# Altium PCB DM1095_R0M0E1.PcbDoc (part 2 of 3)
Units mm, origin at the board's own origin, x right, y up, seen from the top; angles counter-clockwise.
Board outline 80 x 30 mm, 4 copper layers (Top Copper, Signal Layer 1, Layer 1, Bottom Layer), stack 1.602 mm thick; 162 components, 129 nets, 587 pads, 621 vias.
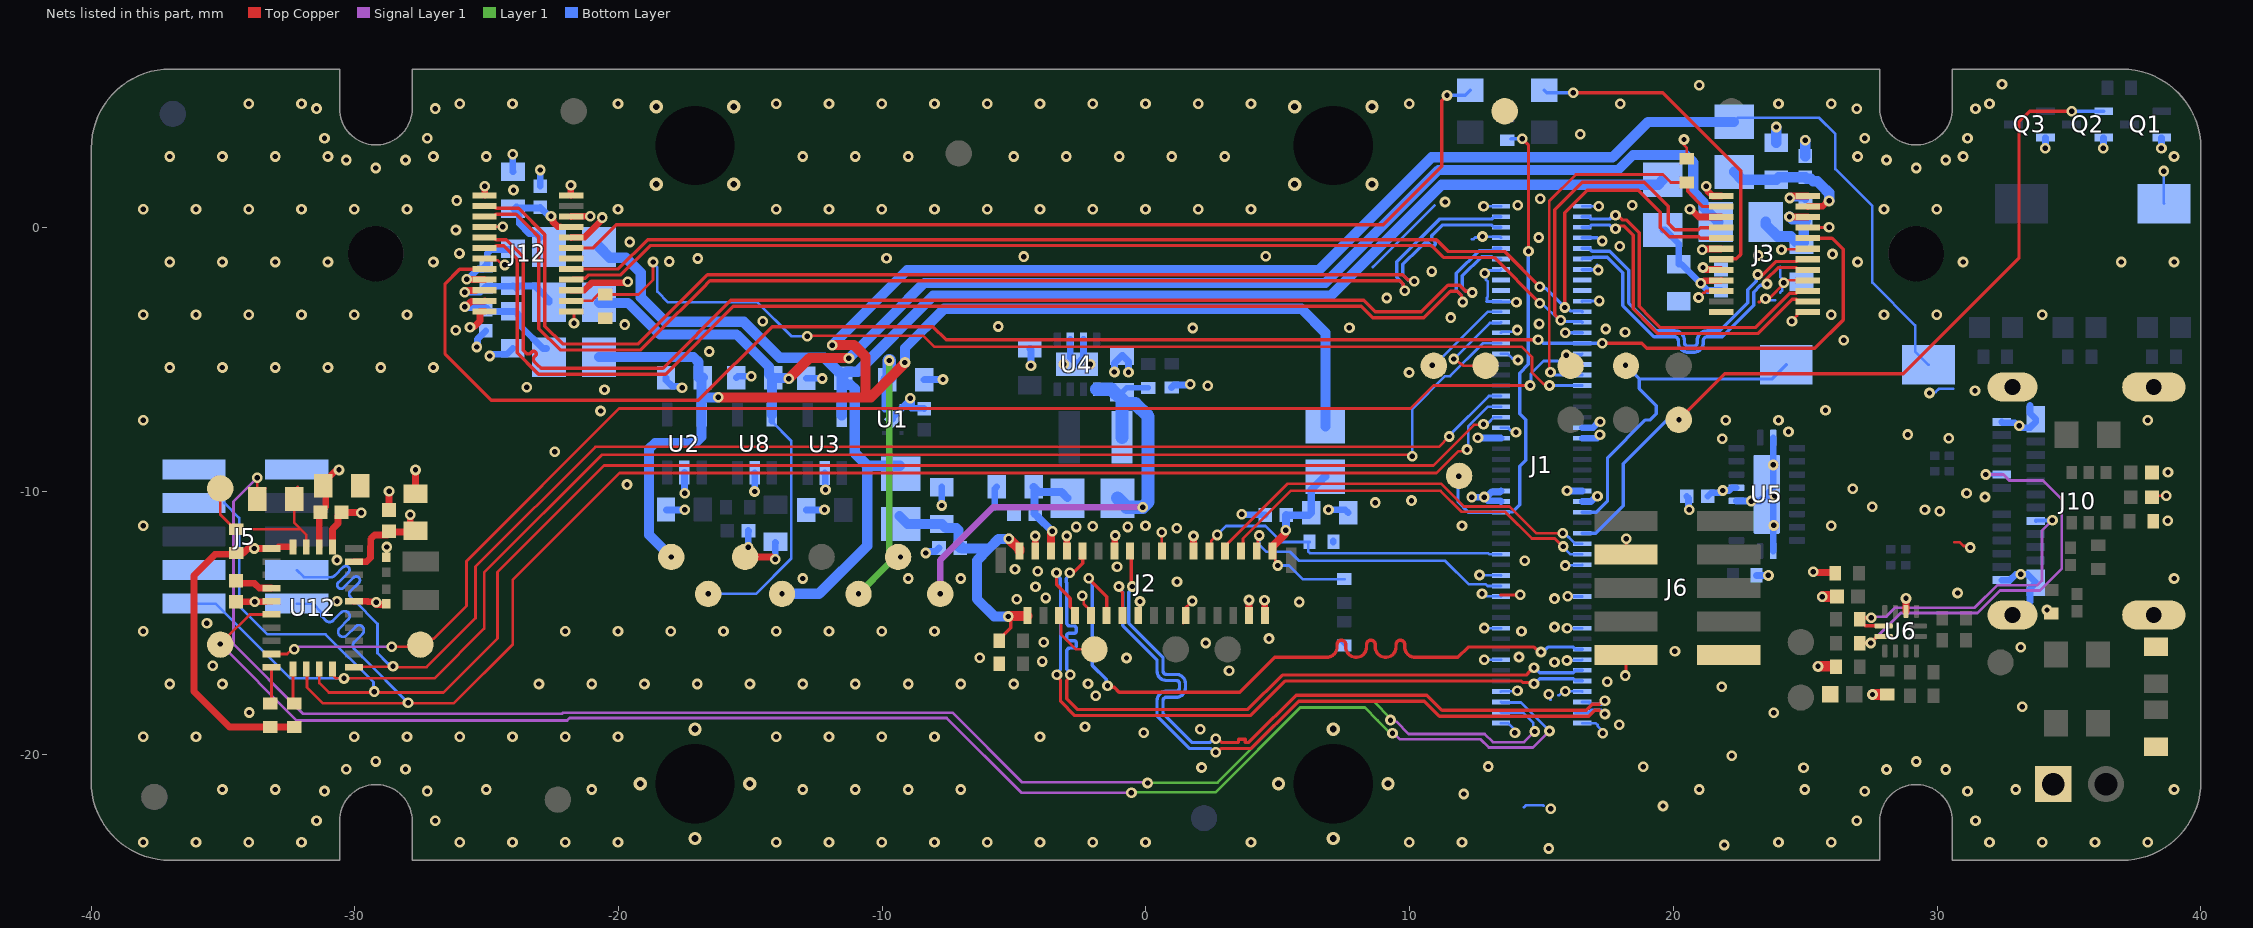
[diagram p4: the nets of this part, all layers, seen from the top]

## Part data (continued)
U8: "Fixed Positive LDO Regulator, 1.5V, PMOS, PDSO5", Dropout Voltage1-Nom=175mV, Input Voltage Absolute-Max=6V, Manufacturer 1="Texas Instruments", Manufacturer Part Number 1=TLV70015DCKR, Max Input Voltage=5.5V, Min Input Voltage=2V, Operating Temperature, TJ-Max=125°C, Operating Temperature, TJ-Min=-40°C, Output Current1-Max=200mA, Output Voltage1-Max=1.53V, Output Voltage1-Min=1.47V, Output Voltage1-Nom=1.5V, Package Body Material=Plastic, Package Code=TSSOP, Package Equivalence Code=TSSOP5/6,.08, Package Shape=Rectangular, Package Style="SMALL OUTLINE, THIN PROFILE, SHRINK PITCHMeter", Peak Reflow Temperature (Cel)=260°C, Supplier Part Number 1=296-41832-1-ND, Voltage Tolerance-Max=2%, Adjustability=FIXED, Category="Voltage Regulators - Linear", ComponentLink1Description=https://www.ti.com:443/lit/ds/symlink/tlv700.pdf?src-supplier=IHS+Markit, ComponentLink1URL=https://www.ti.com:443/lit/ds/symlink/tlv700.pdf?src-supplier=IHS+Markit, ComponentLink2Description=http://components.arrow.com/part/dataview/0323_00585496?src-supplier=Arrow+Europe, ComponentLink2URL=http://components.arrow.com/part/dataview/0323_00585496?src-supplier=Arrow+Europe, ComponentLink3Description=http://components.arrow.com/part/dataview/48329219S8322722N7713?src-supplier=Arrow+Electronics, ComponentLink3URL=http://components.arrow.com/part/dataview/48329219S8322722N7713?src-supplier=Arrow+Electronics, ComponentLink4Description=http://www.ti.com/lit/ds/slvsa00e/slvsa00e.pdf?src-supplier=Digi-Key, ComponentLink4URL=http://www.ti.com/lit/ds/slvsa00e/slvsa00e.pdf?src-supplier=Digi-Key, ComponentLink5Description=http://www.ti.com/general/docs/lit/getliterature.tsp?genericPartNumber=TLV700&&fileType=pdf&src-supplier=Avnet+Asia, ComponentLink5URL=http://www.ti.com/general/docs/lit/getliterature.tsp?genericPartNumber=TLV700&&fileType=pdf&src-supplier=Avnet+Asia, ComponentLink6Description=http://focus.ti.com/lit/ds/symlink/tlv70033.pdf?src-supplier=Avnet, ComponentLink6URL=http://focus.ti.com/lit/ds/symlink/tlv70033.pdf?src-supplier=Avnet, ComponentLink7Description=http://focus.ti.com/lit/ds/symlink/tlv70033.pdf?src-supplier=Avnet+Europe, ComponentLink7URL=http://focus.ti.com/lit/ds/symlink/tlv70033.pdf?src-supplier=Avnet+Europe, ComponentLink8Description=http://www.ti.com/lit/ds/slvsa00d/slvsa00d.pdf?src-supplier=Digi-Key, ComponentLink8URL=http://www.ti.com/lit/ds/slvsa00d/slvsa00d.pdf?src-supplier=Digi-Key, ComponentLink9Description=http://www.ti.com/litv/slvsa00d?src-supplier=Mouser, ComponentLink9URL=http://www.ti.com/litv/slvsa00d?src-supplier=Mouser, ComponentLink10Description=https://datasheet.ciiva.com/41462/001014629-da-01-en-ic-reg-ldo-1-5v-0-tlv70015dckt-sot-5-tid-41462477.pdf?src-supplier=Conrad, ComponentLink10URL=https://datasheet.ciiva.com/41462/001014629-da-01-en-ic-reg-ldo-1-5v-0-tlv70015dckt-sot-5-tid-41462477.pdf?src-supplier=Conrad, ComponentLink11Description=https://datasheet.ciiva.com/22700/1836520-22700170.pdf?src-supplier=Element14, ComponentLink11URL=https://datasheet.ciiva.com/22700/1836520-22700170.pdf?src-supplier=Element14, ComponentLink12Description=https://datasheet.ciiva.com/14149/tlv700-eng-ds-14149835.pdf?src-supplier=Distrelec, ComponentLink12URL=https://datasheet.ciiva.com/14149/tlv700-eng-ds-14149835.pdf?src-supplier=Distrelec, ComponentLink13Description=https://datasheet.ciiva.com/7992/1882059-7992892.pdf?src-supplier=Element14, ComponentLink13URL=https://datasheet.ciiva.com/7992/1882059-7992892.pdf?src-supplier=Element14, Height - Seated (Max)=1.1mm, JESD-30 Code=R-PDSO-G5, JESD-609 Code=e4, Length=2mm, Line Regulation-Max=0.005%, Load Regulation-Max=0.015%, Moisture Sensitivity Level=1, Number of Functions=1, Number of Outputs=1, Number of Pins=5, Packaging="Tape and Reel", Pricing 1="1=0,42000, 10=0,35800, 25=0,33400, 100=0,26710, 250=0,24804, 500=0,20988, 1000=0,16218 (USD)", Pricing 2="1=0,48000, 10=0,41300, 25=0,38600, 100=0,30870 (USD)", Qualification Status="Not Qualified", REACH SVHC=Yes, Regulator Type="FIXED POSITIVE SINGLE OUTPUT LDO REGULATOR", RoHS=Yes, RoHS Compliant=Yes, Stock 1=1697, Stock 2=2049, Supplier 1=Digi-Key, Supplier 2=Digi-Key, Supplier Part Number 2=296-25267-1-ND, Surface Mount=Yes, Technology=PMOS, Terminal Finish=Nickel, Terminal Form="Gull Wing", Terminal Pitch=0.65mm, Terminal Position=DUAL, Width=1.25mm
U12: "IMU ACCEL/GYRO/MAG I2C 32BIT", Case/Package=LGA, Manufacturer 1="Hillcrest Laboratories", Max Operating Temperature=85°C, Min Operating Temperature=-40°C, Supplier Part Number 1=1888-1006-1-ND, Category="Inertial Measurement Units (IMUs)", ComponentLink1Description=https://www.hillcrestlabs.com/downloads/bno080-datasheet?src-supplier=Digi-Key, ComponentLink1URL=https://www.hillcrestlabs.com/downloads/bno080-datasheet?src-supplier=Digi-Key, ComponentLink2Description=https://www.hillcrestlabs.com/downloads/bno080-migration-guide?src-supplier=Digi-Key, ComponentLink2URL=https://www.hillcrestlabs.com/downloads/bno080-migration-guide?src-supplier=Digi-Key, Manufacturer Part Number 1=BNO085, Mount="Surface Mount", Output Type=SPI,I2C, Packaging="Tape and Reel", Pricing 1="1=11.85000, 5=10.31200, 10=9.28100, 25=8.25000, 50=7.63120, 100=6.60000, 500=6.18750, 1000=5.77500 (USD)", RoHS=No, Sensor Type=Accelerometer,Gyroscope,Magnetometer, Stock 1=11593, Supplier 1=Digi-Key
Y1: "CRYSTAL 32.768kHz ±20ppm Crystal 12.5pF 90 kOhms 2-SMD, No Lead", Case/Package=SMD/SMT, ESR (Equivalent Series Resistance)=90kR, Frequency=32.768kHz, Frequency Tolerance=20ppm, Load Capacitance=12.5pF, Manufacturer 1=Abracon, Max Operating Temperature=85°C, Min Operating Temperature=-40°C, Supplier Part Number 1=535-14513-1-ND, ComponentLink1Description=http://www.farnell.com/datasheets/2614114.pdf?src-supplier=Farnell, ComponentLink1URL=http://www.farnell.com/datasheets/2614114.pdf?src-supplier=Farnell, ComponentLink2Description=https://abracon.com/datasheets/ABS06-127-32.768kHz-T.pdf?src-supplier=Digi-Key, ComponentLink2URL=https://abracon.com/datasheets/ABS06-127-32.768kHz-T.pdf?src-supplier=Digi-Key, ComponentLink3Description=http://www.farnell.com/datasheets/2614114.pdf?src-supplier=Newark, ComponentLink3URL=http://www.farnell.com/datasheets/2614114.pdf?src-supplier=Newark, Manufacturer Part Number 1=ABS06-127-32.768KHZ-T, Mount="Surface Mount", Packaging="Tape and Reel", Pricing 1="1=0.69000, 10=0.60700, 50=0.56760, 100=0.50160, 500=0.47520, 1000=0.39600 (USD)", RoHS=Yes, Stock 1=1640, Supplier 1=Digi-Key, Supplier 2=Digi-Key, Supplier 3=Mouser, Supplier 4=Verical, Supplier Part Number 2=535-14513-6-ND, Supplier Part Number 3=815-ABS0612732.768KT, Supplier Part Number 4=ABS06-127-32.768KHZ-T

## Free pads (board coordinates)
  round 2.1 hole 2.1 unplated: 2(-29.2,-1) 2(29.2,-1)

## Via types
v1: diameter 0.406, hole 0.203, Top Copper to Bottom Layer, tented both sides, 577 vias
v2: diameter 0.406, hole 0.203, Top Copper to Bottom Layer, 28 vias
v3: diameter 0.508, hole 0.254, Top Copper to Bottom Layer, 16 vias

## Nets (pads, with @x,y where several pads share a name; then routed paths per layer and width w, separated by ;. In a path a pad name is that pad's centre, name@x,y a point inside that pad or via, vN(x,y) a via of type N, cw(c..) or ccw(c..) an arc to the next point about the centre after c; other vN are vias at no path point)
1V0: C22.2 FB3.1 L1.2 R7.2 TP13.1 U4.5 | length 19.3
  Signal Layer 1 w0.254: v1(-7.8,-13.9) -7.8,-12.62 -5.794,-10.614 v1(-0.122,-10.614)
  Bottom Layer w0.203: C22.2@-0.908,-6.262 -0.733,-6.087 R7.2@0.092,-6.087
  Bottom Layer w0.5: U4.5@-1.87,-6.142 -1.312,-6.142 C22.2@-0.908,-6.546 ; FB3.1@-1.078,-10.27 -0.734,-10.614 v1(-0.122,-10.614) 0.079,-10.414 0.079,-7.17 -0.399,-6.692 -0.762,-6.692 C22.2@-0.908,-6.546 ; L1.2@-0.908,-7.962 C22.2@-0.908,-6.546
1V0_IMX214: C1.2 C2.2 FB3.2 J2.29 | length 4
  Top Copper w0.3: J2.29@-3.6,-12.281 -3.6,-11.596 -3.558,-11.554 v1(-3.558,-11.525)
  Bottom Layer w0.3: C2.2@-4.263,-9.841 C2.2@-4.233,-9.87 ; C1.2@-4.203,-10.88 -4.233,-10.85 C2.2@-4.233,-9.87 ; C1.2@-4.093,-10.99 v1(-3.558,-11.525) ; FB3.2@-2.978,-10.27 -3.207,-10.041 -4.063,-10.041 C2.2@-4.233,-9.87
1V5: C39.2 FB6.1 FB9.1 TP10.1 U8.5 | length 60
  Top Copper w0.381: v1(-13.545,-5.741) -12.766,-4.962 -11.269,-4.962 v1(-11.265,-4.967)
  Bottom Layer w0.102: v1(-16.6,-13.9) -14.792,-13.9 -13.451,-12.559 -13.451,-9.697 ; U8.5@-14.189,-7.36 -13.451,-8.098 -13.451,-9.697
  Bottom Layer w0.254: U8.5@-14.189,-7.36 U8.5@-14.189,-7.11
  Bottom Layer w0.381: FB9.1@-20.738,-2.847 -20.718,-2.867 -19.634,-2.867 -18.436,-4.065 -15.522,-4.065 -14.298,-5.288 -14.298,-5.568 -14.179,-5.687 -14.179,-7.1 U8.5@-14.189,-7.11 ; C39.2@-14.139,-5.71 -13.577,-5.71 v1(-13.545,-5.741) ; v1(-11.265,-4.967) -9.679,-3.381 -8.406,-2.108 6.803,-2.108 11.085,2.175 17.896,2.175 18.462,2.74 20.47,2.74 20.749,2.462 20.749,1.351 21.14,0.96 21.14,0.76 FB6.1@21.7,0.2
1V5_L: C7.2 C8.2 FB6.2 J3.3 | length 3.8
  Top Copper w0.254: v1(24.4,0.4) 24.406,0.394 25.084,0.394 J3.3@25.09,0.387
  Bottom Layer w0.4: FB6.2@23.5,0.2 23.5,0.1 23.95,-0.35 24.441,-0.35 C8.2@24.639,-0.548 ; v1(24.4,0.4) 24.402,0.4 24.502,0.3 24.948,0.3 C7.2@25.008,0.24 24.948,0.18 24.948,-0.571 C8.2@24.855,-0.664
1V5_R: C23.2 C24.2 FB9.2 J12.3 | length 4
  Top Copper w0.254: v1(-25.832,-2.465) -25.791,-2.465 -25.725,-2.399 J12.3@-25.41,-2.399
  Bottom Layer w0.254: v1(-25.832,-2.465) -25.238,-2.465 C23.2@-25.019,-2.246 ; C23.2@-25.005,-2.26 -24.976,-2.231 -24.013,-2.231 C24.2@-23.998,-2.216 ; C24.2@-23.873,-2.317 -23.78,-2.224 -23.161,-2.224 -22.638,-2.747 FB9.2@-22.638,-2.847
1V8: B2.1 C18.2 C43.2 C44.2 FB2.1 FB5.1 FB8.1 R5.1 R6.1 R35.2 TP11.1 U2.5 U12.5 U12.6 U12.28 | length 114.6
  Top Copper w0.254: U12.5@-32.344,-12.117 -32.886,-12.117 -32.948,-12.179 U12.6@-33.157,-12.179 v1(-33.808,-12.179) -34.054,-12.179 -34.225,-12.35 R35.2@-34.5,-12.35 -34.55,-12.4 -35.3,-12.4 -36.1,-13.2 -36.1,-17.6 -34.75,-18.95 R5.1@-33.2,-18.95 R6.1@-32.3,-18.95 ; U12.28@-30.032,-12.679 -29.552,-12.679 -29.404,-12.531 -29.404,-12.104 -29.4,-12.1 -29.4,-11.823 -29.246,-11.669 -28.769,-11.669 -28.65,-11.55 -27.75,-11.55 C43.2@-27.7,-11.5 -27.9,-11.3 v1(-27.9,-10.9)
  Top Copper w0.381: v1(-16.216,-6.446) -10.641,-6.446 ; v1(-11.9,-4.468) -11.065,-4.468 -10.641,-4.892 -10.641,-6.446 ; v1(-9.141,-5.128) -9.146,-5.133 -9.146,-5.157 -10.434,-6.446 -10.641,-6.446
  Bottom Layer w0.102: FB5.1@22.3,4 22.454,4.154 24.721,4.154 25.521,4.154 26.138,3.537 26.138,2.204 27.541,0.801 27.541,-2.098 29.164,-3.721 29.164,-4.709 B2.1@29.672,-5.218
  Bottom Layer w0.381: FB8.1@-20.738,-4.921 -17.153,-4.921 -16.96,-5.114 C18.2@-16.96,-5.7 ; v1(-18,-12.5) -18.841,-11.659 -18.841,-8.398 -18.617,-8.175 -17.083,-8.175 -16.859,-7.952 U2.5@-16.859,-7.109 ; U2.5@-16.859,-7.242 U2.5@-16.85,-7.251 ; U2.5@-16.85,-7.1 U2.5@-16.859,-7.109 ; C18.2@-16.8,-5.7 -16.862,-5.762 -16.862,-6.451 ; v1(-16.216,-6.446) -16.222,-6.451 -16.862,-6.451 ; v1(-11.9,-4.468) -10.132,-2.7 -9.059,-1.627 6.553,-1.627 10.835,2.656 17.696,2.656 19.041,4 FB5.1@22.3,4 ; v1(-9.141,-5.128) -9.141,-4.577 -7.653,-3.089 5.892,-3.089 6.8,-3.997 FB2.1@6.8,-7.556 ; -16.862,-6.451 -16.862,-6.707 -16.859,-6.71 U2.5@-16.859,-7.109
1V8_IMX214: C3.2 C4.2 FB2.2 J2.1 R27.2 | length 7.5
  Top Copper w0.102: J2.1@4.8,-12.281 4.899,-12.38 4.899,-12.642 4.997,-12.74 v1(4.997,-12.822)
  Top Copper w0.3: J2.1@4.8,-12.281 4.8,-12.1 5.273,-11.627 5.273,-11.51 v1(5.294,-11.489)
  Bottom Layer w0.102: v1(4.997,-12.822) 5.423,-12.822 5.941,-13.34 R27.2@7.526,-13.34
  Bottom Layer w0.3: v1(5.294,-11.489) 5.305,-11.478 5.305,-10.92 C3.2@5.317,-10.908 ; C3.2@5.328,-10.919 6.168,-10.919 C4.2@6.266,-10.82 6.266,-10.775 6.266,-9.956 6.766,-9.456 FB2.2@6.8,-9.456
1V8_L: C9.2 C10.2 FB5.2 J3.2 | length 5.2
  Top Copper w0.254: J3.2@25.09,0.787 25.102,0.799 25.658,0.799 25.859,1 v1(25.9,1)
  Bottom Layer w0.4: FB5.2@22.3,2.1 22.6,1.8 C10.2@23.9,1.8 24,1.9 C9.2@25,1.9 25.06,1.84 25.204,1.84 25.294,1.75 25.45,1.75 25.6,1.6 25.899,1.301 25.899,1.001 v1(25.9,1)
1V8_R: C25.2 C26.2 FB8.2 J12.2 | length 4.9
  Top Copper w0.254: v1(-25.834,-3.01) -25.796,-3.01 -25.631,-2.845 -25.604,-2.845 -25.558,-2.799 -25.089,-2.799 J12.2@-25.077,-2.787
  Bottom Layer w0.254: v1(-25.834,-3.01) -25.805,-3.039 -25.05,-3.039 C25.2@-24.974,-3.115 ; C25.2@-24.985,-3.066 -24.985,-3.101 -24.896,-3.19 -23.911,-3.19 -23.688,-3.413 -23.688,-3.77 -22.863,-4.596 FB8.2@-22.733,-4.596
2V8: C20.2 FB1.1 FB4.1 FB7.1 TP12.1 U3.5 | length 59.3
  Bottom Layer w0.4: FB7.1@-20.738,-0.747 -20.33,-1.155 -19.722,-1.155 -19.151,-1.726 -19.151,-2.655 -18.232,-3.575 -15.259,-3.575 -13.892,-4.942 -12.201,-4.942 -11.673,-5.47 -11.629,-5.47 -11.529,-5.57 -11.529,-5.67 -11.329,-5.47 -10.934,-5.47 -8.063,-2.598 7.006,-2.598 11.219,1.615 19.415,1.615 FB4.1@19.6,1.8 ; v1(-13.8,-13.9) -12.4,-13.9 -10.573,-12.073 -10.573,-9.05 ; U3.5@-11.529,-7.12 C20.2@-11.529,-5.775 ; C20.2@-11.463,-5.836 -11.329,-5.97 -11.208,-5.97 -11.05,-6.128 -11.05,-8.556 -10.573,-9.033 -10.573,-9.05 ; FB1.1@-9.343,-9.05 -10.573,-9.05
2V8_IMX214: C5.2 C6.2 FB1.2 J2.32 J2.33 R22.1 | length 11.2
  Top Copper w0.127: R22.1@-5.548,-15.542 -5.481,-15.542 -5.126,-15.188 v1@-5.126,-14.759 ; J2.32@-4.493,-14.906 J2.32@-4.493,-14.731
  Top Copper w0.381: v1(-5.2,-11.806) -4.8,-12.206 J2.33@-4.8,-12.281 ; v1@-5.121,-14.757 -5.115,-14.757 -5.089,-14.731 J2.32@-4.493,-14.731
  Bottom Layer w0.381: FB1.2@-9.343,-10.95 -9.043,-11.25 C6.2@-7.743,-11.25 -7.583,-11.41 -7.181,-11.41 -7.117,-11.473 -7.117,-12.09 C5.2@-7.048,-12.16 C5.2@-6.999,-12.111 ; C5.2@-6.985,-12.166 -6.985,-12.171 -6.978,-12.178 -5.95,-12.178 ; v1(-5.221,-14.757) -5.226,-14.752 -5.754,-14.752 -6.405,-14.101 -6.405,-13.117 -6.4,-13.112 -6.4,-12.628 -5.95,-12.178 ; v1(-5.2,-11.806) -5.205,-11.811 -5.583,-11.811 -5.95,-12.178
2V8_L: C11.2 C12.2 FB4.2 J3.16 | length 4.2
  Top Copper w0.254: v1@21.177,-2.025 21.798,-2.025 J3.16@21.81,-2.013
  Bottom Layer w0.254: FB4.2@19.6,-0.1 19.677,-0.1 20.2,-0.623 C12.2@20.2,-1.4 20.3,-1.4 21.268,-2.368 21.268,-2.371 21.298,-2.4 C11.2@21.8,-2.4
  other v1: 21.035,-2.126
2V8_R: C27.2 C28.2 FB7.2 J12.16 | length 3.7
  Top Copper w0.254: v1@-22.531,0.394 -22.531,0.343 -22.484,0.296 -22.484,0.203 -22.305,0.025 J12.16@-22.222,0.025
  Bottom Layer w0.254: C28.2@-23.963,0.681 -23.763,0.482 -23.763,0.139 -23.376,-0.248 -23.12,-0.248 FB7.2@-22.968,-0.4 ; C28.2@-23.866,0.778 -23.819,0.73 -22.992,0.73 C27.2@-22.966,0.756 -22.653,0.443 -22.59,0.443 v1(-22.561,0.414)
3V3: C15.2 C35.2 C42.2 C45.2 R13.2 TP9.1 U1.1 U5.6 U12.3 | length 16.6
  Top Copper w0.254: U12.3@-31.344,-12.117 -31.342,-12.115 -31.342,-10.842 C45.2@-31.3,-10.8 -31.1,-10.6 C42.2@-31.1,-9.9 ; C42.2@-31.2,-9.8 -31.1,-9.8 -31.1,-9.6 -30.729,-9.229 -30.629,-9.229 v1(-30.6,-9.2) ; v1(25.303,-13.061) 25.329,-13.086 26.109,-13.086 R13.2@26.134,-13.111
  Layer 1 w0.254: v1(-10.9,-13.9) -9.738,-12.738 v1(-9.738,-5.051)
  Bottom Layer w0.254: -9.9,-6.9 -9.9,-6.771 -9.9,-5.869 C15.2@-9.814,-5.783 ; C35.2@21.3,-10.2 21.433,-10.067 21.741,-10.067 21.828,-9.98 v1(21.87,-9.98) 22.109,-9.98 22.214,-9.875 U5.6@22.385,-9.875
  Bottom Layer w0.5: C15.2@-9.814,-5.783 -9.738,-5.707 v1(-9.738,-5.051)
2485_PGOOD: J1.37 Q2.1 TP1.1 | length 30.4
  Top Copper w0.127: v1(20.209,-7.298) 20.202,-7.298 TP1.1@20.2,-7.3 21.946,-5.554 28.714,-5.554 33.1,-1.168 33.1,4 33.5,4.4 v1(35.1,4.4)
  Bottom Layer w0.127: J1.37@16.54,-11.6 17.056,-11.6 18.1,-10.556 18.1,-8.966 19.769,-7.298 v1(20.209,-7.298) ; v1(35.1,4.4) Q2.1@36.31,4.4
2485_WAKEUP: B2.2 J1.41 TP3.1 | length 13.5
  Top Copper w0.254: v1(18.179,-5.23) TP3.1@18.2,-5.25
  Bottom Layer w0.127: J1.41@16.54,-10.8 17.073,-10.8 17.5,-10.373 17.5,-8.743 18.937,-7.307 19.114,-7.307 19.351,-7.07 19.351,-6.766 18.7,-6.115 18.7,-5.751 ; v1(18.179,-5.23) 18.7,-5.751 ; B2.2@24.272,-5.218 23.739,-5.751 18.7,-5.751
BNO08x_BOOTN_1V8: J1.4 R36.2 | length 63.4
  Top Copper w0.102: v1(-33.703,-9.5) -33.703,-10.297 R36.2@-33.7,-10.3 -33.7,-10.2 R36.2@-33.401,-9.901
  Signal Layer 1 w0.102: v1(-33.703,-9.5) -34.6,-10.397 -34.6,-15.8 -31.954,-18.446 -22.149,-18.446 -22.109,-18.406 -7.339,-18.406 -4.703,-21.042 0.078,-21.042 v1@0.093,-21.058 ; v1(9.272,-18.686) 9.33,-18.744 9.493,-18.744 9.96,-19.211 12.839,-19.211 13.15,-19.523 14.336,-19.523 v1(14.739,-19.12)
  Layer 1 w0.102: v1(0.06,-21.072) 0.074,-21.058 2.716,-21.058 5.788,-17.986 8.64,-17.986 9.272,-18.618 v1(9.272,-18.686)
  Bottom Layer w0.102: J1.4@13.461,-18.401 14.299,-18.401 14.68,-18.782 14.68,-19.061 v1(14.739,-19.12)
BNO08x_BOOTN_1V8_1: R35.1 R36.1 TP26.1 U12.4 | length 7.2
  Top Copper w0.102: TP26.1@-35.1,-9.9 -35.1,-10.9 -34.55,-11.45 R35.1@-34.5,-11.45 -32.094,-11.45 -32.072,-11.428 ; R36.1@-32.3,-9.9 R36.1@-32.3,-9.984 ; -32.166,-9.85 R36.1@-32.3,-9.984 ; U12.4@-31.844,-12.117 -31.844,-11.656 -32.072,-11.428 ; R36.1@-32.3,-10.3 R36.1@-32.3,-9.984 ; R36.1@-32.3,-10.3 -32.3,-10.8 -32.3,-11.2 -32.072,-11.428 ; R36.1@-32.3,-10.3 R36.1@-32.3,-9.984
BNO08x_CIPO_1V8: J1.64 J5.4 U12.20 | length 57.4
  Top Copper w0.102: U12.20@-30.032,-16.679 -30.012,-16.66 -28.572,-16.66 v1(-28.553,-16.64) -28.513,-16.679 -27.277,-16.679 -25.42,-14.822 -25.42,-12.866 -20.88,-8.326 11.105,-8.326 v1(11.496,-7.934)
  Bottom Layer w0.102: J5.4@-32.2,-13 -31.932,-13.268 -30.992,-13.268 -30.907,-13.268 -30.903,-13.272 -30.857,-13.259 ccw(c-30.92,-13.029) -30.752,-13.198 -30.439,-12.885 cw(c-30.34,-12.983) -30.241,-12.885 cw(c-30.34,-12.983) -30.241,-13.082 -30.622,-13.463 ccw(c-30.523,-13.561) -30.622,-13.66 ccw(c-30.523,-13.561) -30.424,-13.66 -30.044,-13.28 cw(c-29.945,-13.379) -29.846,-13.28 cw(c-29.945,-13.379) -29.846,-13.477 -30.173,-13.804 ccw(c-30.074,-13.903) -30.173,-14.002 -30.018,-14.157 -29.14,-15.034 -29.14,-16.148 -28.75,-16.538 -28.737,-16.538 -28.635,-16.64 v1(-28.553,-16.64) ; v1(11.496,-7.934) 11.496,-7.904 13,-6.4 J1.64@13.46,-6.4
BNO08x_COPI_1V8: J1.62 J5.2 U12.17 | length 61.4
  Top Copper w0.102: U12.17@-31.844,-16.742 -31.814,-16.772 -31.814,-17.445 -31.207,-18.053 -28.003,-18.053 v1(-27.978,-18.028) -27.954,-18.053 -26.252,-18.053 -24.009,-15.81 -24.009,-13.361 -19.966,-9.318 11.017,-9.318 11.849,-8.487 12.113,-8.487 v1(12.172,-8.428)
  Bottom Layer w0.102: J5.2@-32.2,-14.27 -31.593,-14.27 -31.264,-14.599 -31.264,-14.743 -31.129,-14.878 -31.093,-14.914 ccw(c-30.958,-14.779) -30.823,-14.914 -30.518,-14.608 cw(c-30.383,-14.743) -30.249,-14.608 cw(c-30.383,-14.743) -30.249,-14.878 -30.576,-15.205 ccw(c-30.441,-15.34) -30.576,-15.474 ccw(c-30.441,-15.34) -30.306,-15.474 -29.979,-15.147 cw(c-29.845,-15.282) -29.71,-15.147 cw(c-29.845,-15.282) -29.71,-15.417 -30.015,-15.722 ccw(c-29.881,-15.857) -30.015,-15.991 -29.714,-16.293 v1(-27.978,-18.028) ; v1(12.172,-8.428) 12.213,-8.387 12.213,-7.551 12.964,-6.8 J1.62@13.46,-6.8
BNO08x_CS_1V8: J1.60 J5.7 U12.18 | length 62.2
  Top Copper w0.102: U12.18@-31.344,-16.742 -31.344,-17.278 -30.983,-17.638 -29.291,-17.638 v1(-29.257,-17.604) -29.223,-17.638 -26.638,-17.638 -24.8,-15.8 -24.586,-15.586 -24.586,-13.073 -20.547,-9.034 10.897,-9.034 12.44,-7.492 12.773,-7.492 v1(12.795,-7.47)
  Bottom Layer w0.102: J5.7@-34.945,-10.453 -34.383,-11.015 -34.383,-14.366 -33.312,-15.436 -31.104,-15.436 -29.291,-17.249 -29.291,-17.57 v1(-29.257,-17.604) v1@-29.291,-17.638 ; v1(12.795,-7.47) 12.854,-7.411 12.989,-7.411 13.2,-7.2 J1.60@13.46,-7.2
BNO08x_INT_1V8: J1.69 TP25.1 U12.14 | length 55.7
  Top Copper w0.102: U12.14@-33.224,-16.246 U12.14@-33.157,-16.179 -32.562,-16.179 -32.382,-16 v1(-32.3,-16) ; v1(-28.6,-15.9) TP25.1@-27.514,-15.9 ; TP25.1@-27.514,-15.823 -27.271,-15.823 -27.053,-15.605 -27.013,-15.605 -25.762,-14.354 -25.762,-12.662 -19.974,-6.874 10.026,-6.874 10.9,-6 v1(14.563,-5.999) v1(14.563,-5.999)
  Signal Layer 1 w0.102: v1(-32.3,-16) -32.218,-16 -32.118,-15.9 v1(-28.6,-15.9)
  Bottom Layer w0.102: v1(14.563,-5.999) 14.596,-5.965 14.596,-5.545 15.071,-5.07 15.615,-5.07 15.744,-5.2 J1.69@16.54,-5.2
BNO08x_RSTn_1V8: J1.6 TP19.1 U12.11 | length 59.6
  Top Copper w0.102: TP19.1@-35.1,-15.6 -34.9,-15.6 -33.979,-14.679 U12.11@-33.157,-14.679
  Signal Layer 1 w0.102: v1(-35.1,-15.8) -32.202,-18.698 -21.946,-18.698 -21.856,-18.607 -7.561,-18.607 -4.728,-21.441 v1(-0.553,-21.441) ; v1(9.349,-19.186) 9.398,-19.186 9.625,-19.413 12.693,-19.413 12.99,-19.71 ; 12.99,-19.724 14.676,-19.724 v1(15.3,-19.1)
  Layer 1 w0.102: v1(-0.553,-21.441) -0.538,-21.426 2.633,-21.426 5.848,-18.211 8.296,-18.211 8.784,-18.698 9.272,-19.186 v1(9.349,-19.186)
  Bottom Layer w0.102: J1.6@13.46,-18 13.481,-18.021 14.221,-18.021 v1(15.3,-19.1)
BNO08x_SCK_1V8: J1.74 J5.1 U12.19 | length 59.1
  Top Copper w0.102: U12.19@-30.844,-16.742 -30.77,-16.816 -30.77,-17.045 -30.71,-17.105 v1(-30.411,-17.105) ; v1@-30.411,-17.1 -26.975,-17.1 -25.094,-15.219 -25.094,-13.087 -20.631,-8.624 10.044,-8.624 v1(10.1,-8.68)
  Bottom Layer w0.102: J5.1@-36.1,-14.27 -35.28,-14.27 -32.445,-17.105 v1(-30.411,-17.105) ; v1(10.1,-8.68) 10.1,-6.888 11.344,-5.644 11.524,-5.644 12.768,-4.4 J1.74@13.46,-4.4
CAM_A_CLK_OUT: J1.28 J2.3 | length 10.8
  Top Copper w0.102: J2.3@4.2,-12.275 4.246,-12.229 4.246,-11.731 v1(4.291,-11.685)
  Bottom Layer w0.102: v1(4.291,-11.685) 4.291,-12.035 4.562,-12.305 5.47,-12.305 5.808,-12.643 11.343,-12.643 12.239,-13.539 12.886,-13.539 12.947,-13.6 J1.28@13.46,-13.6
CAM_A_PWDN_N: J1.34 J2.9 R1.1 | length 12.4
  Top Copper w0.102: J2.9@2.4,-12.281 2.469,-12.212 2.469,-11.893 v1(2.699,-11.663)
  Bottom Layer w0.102: v1(2.699,-11.663) 3.035,-11.327 4.533,-11.327 5.136,-11.93 R1.1@6.204,-11.93 6.15,-11.984 6.15,-12.289 6.217,-12.356 12.976,-12.356 13.017,-12.397 13.457,-12.397 J1.34@13.46,-12.4
CAM_B_CLK_OUT: J1.73 J3.5 J12.5 | length 64
  Top Copper w0.127: J12.5@-25.306,-1.587 -26.029,-1.587 -26.579,-2.137 -26.579,-4.806 -24.823,-6.561 -16.974,-6.561 -14.178,-3.765 -8.08,-3.765 -7.579,-4.267 14.864,-4.267 v1(14.867,-4.264) ; v1(17.3,-4.4) 18.8,-4.4 18.982,-4.582 25.365,-4.582 26.432,-3.515 26.432,-0.832 26.013,-0.413 J3.5@25.09,-0.413
  Bottom Layer w0.127: v1(14.867,-4.264) 14.929,-4.264 15.065,-4.4 J1.73@16.54,-4.4 v1(17.3,-4.4)
CAM_B_D_PWM: J1.65 J12.23 R9.1 | length 42.2
  Top Copper w0.102: J12.23@-21.797,-2.787 -21.012,-2.787 -20.89,-2.665 -20.887,-2.665 -20.772,-2.55 R9.1@-20.5,-2.55 -19.25,-2.55 -18.69,-1.99 v1(-18.69,-1.318) ; v1(-12.846,-4.132) -12.828,-4.114 -8.441,-4.114 -8.03,-4.524 14.241,-4.524 14.638,-4.921 14.638,-5.5 15.079,-5.942 15.242,-5.942 v1(15.3,-6)
  Bottom Layer w0.102: v1(-18.69,-1.318) -18.69,-1.369 -18.529,-1.53 -18.529,-2.433 -18.117,-2.845 -14.732,-2.845 -13.445,-4.132 v1(-12.846,-4.132) ; v1(15.3,-6) J1.65@16.54,-6
CAM_B_PWDN_N: J1.67 J3.23 R2.1 | length 15.4
  Top Copper w0.102: v1(15.335,-5.495) 15.287,-5.447 15.287,0.987 16.3,2 19.6,2 19.9,1.7 R2.1@20.5,1.7
  Top Copper w0.127: R2.1@20.5,1.7 20.544,1.656 20.544,1.359 21.116,0.787 J3.23@21.81,0.787
  Bottom Layer w0.102: v1(15.335,-5.495) 15.417,-5.495 15.523,-5.6 J1.67@16.54,-5.6
CAP: C46.1 U12.9 | length 1.5
  Top Copper w0.254: C46.1@-34.5,-13.4 -34.4,-13.5 -33.8,-13.5 -33.623,-13.677 -33.159,-13.677 U12.9@-33.157,-13.679
CC1: J10.A5 R19.2 U6.2 | length 15.9
  Top Copper w0.127: R19.2@27.065,-15.765 v1(27.48,-15.765) 27.678,-15.567 27.678,-15.551 27.715,-15.515 U6.2@27.965,-15.515
  Signal Layer 1 w0.102: v1(27.48,-15.765) 28.618,-14.627 31.52,-14.627 32.377,-13.77 33.897,-13.77 34.725,-12.942 34.725,-10.32 34.005,-9.6 32.732,-9.6 32.506,-9.374 v1(31.844,-9.374)
  Bottom Layer w0.158: v1@31.846,-9.377 32.44,-9.377 J10.A5@32.442,-9.379
CC2: J10.B5 R18.2 U6.1 | length 11.6
  Top Copper w0.127: v1(27.5,-14.8) 27.129,-14.8 R18.2@27.065,-14.865 27.065,-14.915 27.265,-15.115 U6.1@27.965,-15.115
  Signal Layer 1 w0.102: v1(27.5,-14.8) 27.532,-14.768 28.058,-14.768 28.4,-14.425 31.421,-14.425 32.278,-13.568 33.798,-13.568 33.97,-13.396 33.97,-11.504 v1(34.368,-11.106)
  Bottom Layer w0.152: J10.B5@33.742,-11.129 33.754,-11.118 34.356,-11.118 v1(34.368,-11.106)
COM_AUX_IO2: J1.42 R4.1 TP4.1 | length 18.4
  Top Copper w0.127: v1(14.266,3.356) 14.502,3.121 v1(14.502,-0.912)
  Top Copper w0.254: v1(11.86,-9.438) TP4.1@11.874,-9.424
  Bottom Layer w0.127: v1(11.86,-9.438) 11.835,-9.462 11.835,-9.831 11.832,-9.835 11.832,-10.414 12.218,-10.8 J1.42@13.46,-10.8 13.466,-10.794 13.91,-10.794 14.004,-10.7 14.004,-10.689 14.168,-10.524 14.168,-9.055 14.396,-8.827 14.396,-7.294 14.168,-7.066 14.168,-5.532 14.5,-5.2 14.5,-1.03 14.502,-1.028 v1(14.502,-0.912) ; R4.1@13.831,3.347 13.84,3.356 v1(14.266,3.356)
ENV_SCL: R5.2 U12.15 | length 1.4
  Top Copper w0.127: U12.15@-33.157,-16.679 -33.157,-18.072 R5.2@-33.155,-18.073
ENV_SDA: R6.2 U12.16 | length 1.4
  Top Copper w0.127: U12.16@-32.344,-16.742 R6.2@-32.344,-18.006 ; R6.2@-32.326,-18.076 -32.344,-18.058 R6.2@-32.344,-18.006 ; R6.2@-32.3,-18.05 R6.2@-32.344,-18.006
FSIN1: J3.18 R24.2 | length 12.7
  Top Copper w0.127: v1(16.2,5.1) 19.6,5.1 22.547,2.153 22.547,-1.032 22.383,-1.196 21.827,-1.196 J3.18@21.81,-1.213
  Bottom Layer w0.127: R24.2@15.1,5.2 15.2,5.1 v1(16.2,5.1)
FSIN2: J12.18 R26.2 | length 38
  Top Copper w0.127: J12.18@-21.797,-0.787 -20.976,-0.787 -20.087,0.102 9.002,0.102 11.215,2.315 11.215,4.802 v1(11.414,5.001)
  Bottom Layer w0.127: v1(11.414,5.001) 12.101,5.001 R26.2@12.3,5.2
GND: B1.1 C1.1 C2.1 C3.1 C4.1 C5.1 C6.1 C7.1 C8.1 C9.1 C10.1 C11.1 C12.1 C13.1 C14.1 C15.1 C16.1 C17.1 C18.1 C19.1 C20.1 C21.1 C22.1 C23.1 C24.1 C25.1 C26.1 C27.1 C28.1 C29.1 C30.1 C35.1 C36.1 C38.1 C39.1 C40.1 C42.1 C43.1 C44.1 C45.1 C46.2 C47.1 C48.1 C49.1 J1.1 J1.2 J1.7 J1.8 J1.13 J1.14 J1.19 J1.20 J1.25 J1.26 J1.30 J1.31 J1.43 J1.44 J1.45 J1.46 J1.55 J1.56 J1.57 J1.58 J1.71 J1.72 J1.75 J1.76 J1.81 J1.82 J1.87 J1.88 J1.93 J1.94 J1.99 J1.100 J2.2 J2.4 J2.11 J2.12 J2.15 J2.18 J2.21 J2.24 J2.27 J2.31 J3.1 J3.4 J3.6 J3.9 J3.12 J3.13 J3.15 J3.17 J3.19 J3.22 J3.24 J5.3 J5.9 J5.10 J6.3 J6.9 J6.10 J8.P1 J10.A1 J10.A12 J10.B1 J10.B12 J10.SH1 J10.SH2 J10.SH3 J10.SH4 J12.1 J12.4 J12.6 J12.9 J12.12 J12.13 J12.15 J12.17 J12.19 J12.22 J12.24 MH1.1 MH2.1 MH3.1 MH4.1 Q1.2 Q2.2 Q3.2 R1.2 R2.2 R8.1 R9.2 R10.1 R11.1 R12.2 R14.2 R16.2 R28.2 R29.2 TP14.1 TP15.1 TP16.1 TP17.1 U1.2 U1.5 U2.2 U3.2 U4.2 U4.3 U4.9 U5.5 U5.11 U5.20 U5.21 U6.10 U8.2 U12.2 U12.10 U12.25 | length 113.1